# KiCad board rabbit_mask.kicad_pcb (continued)
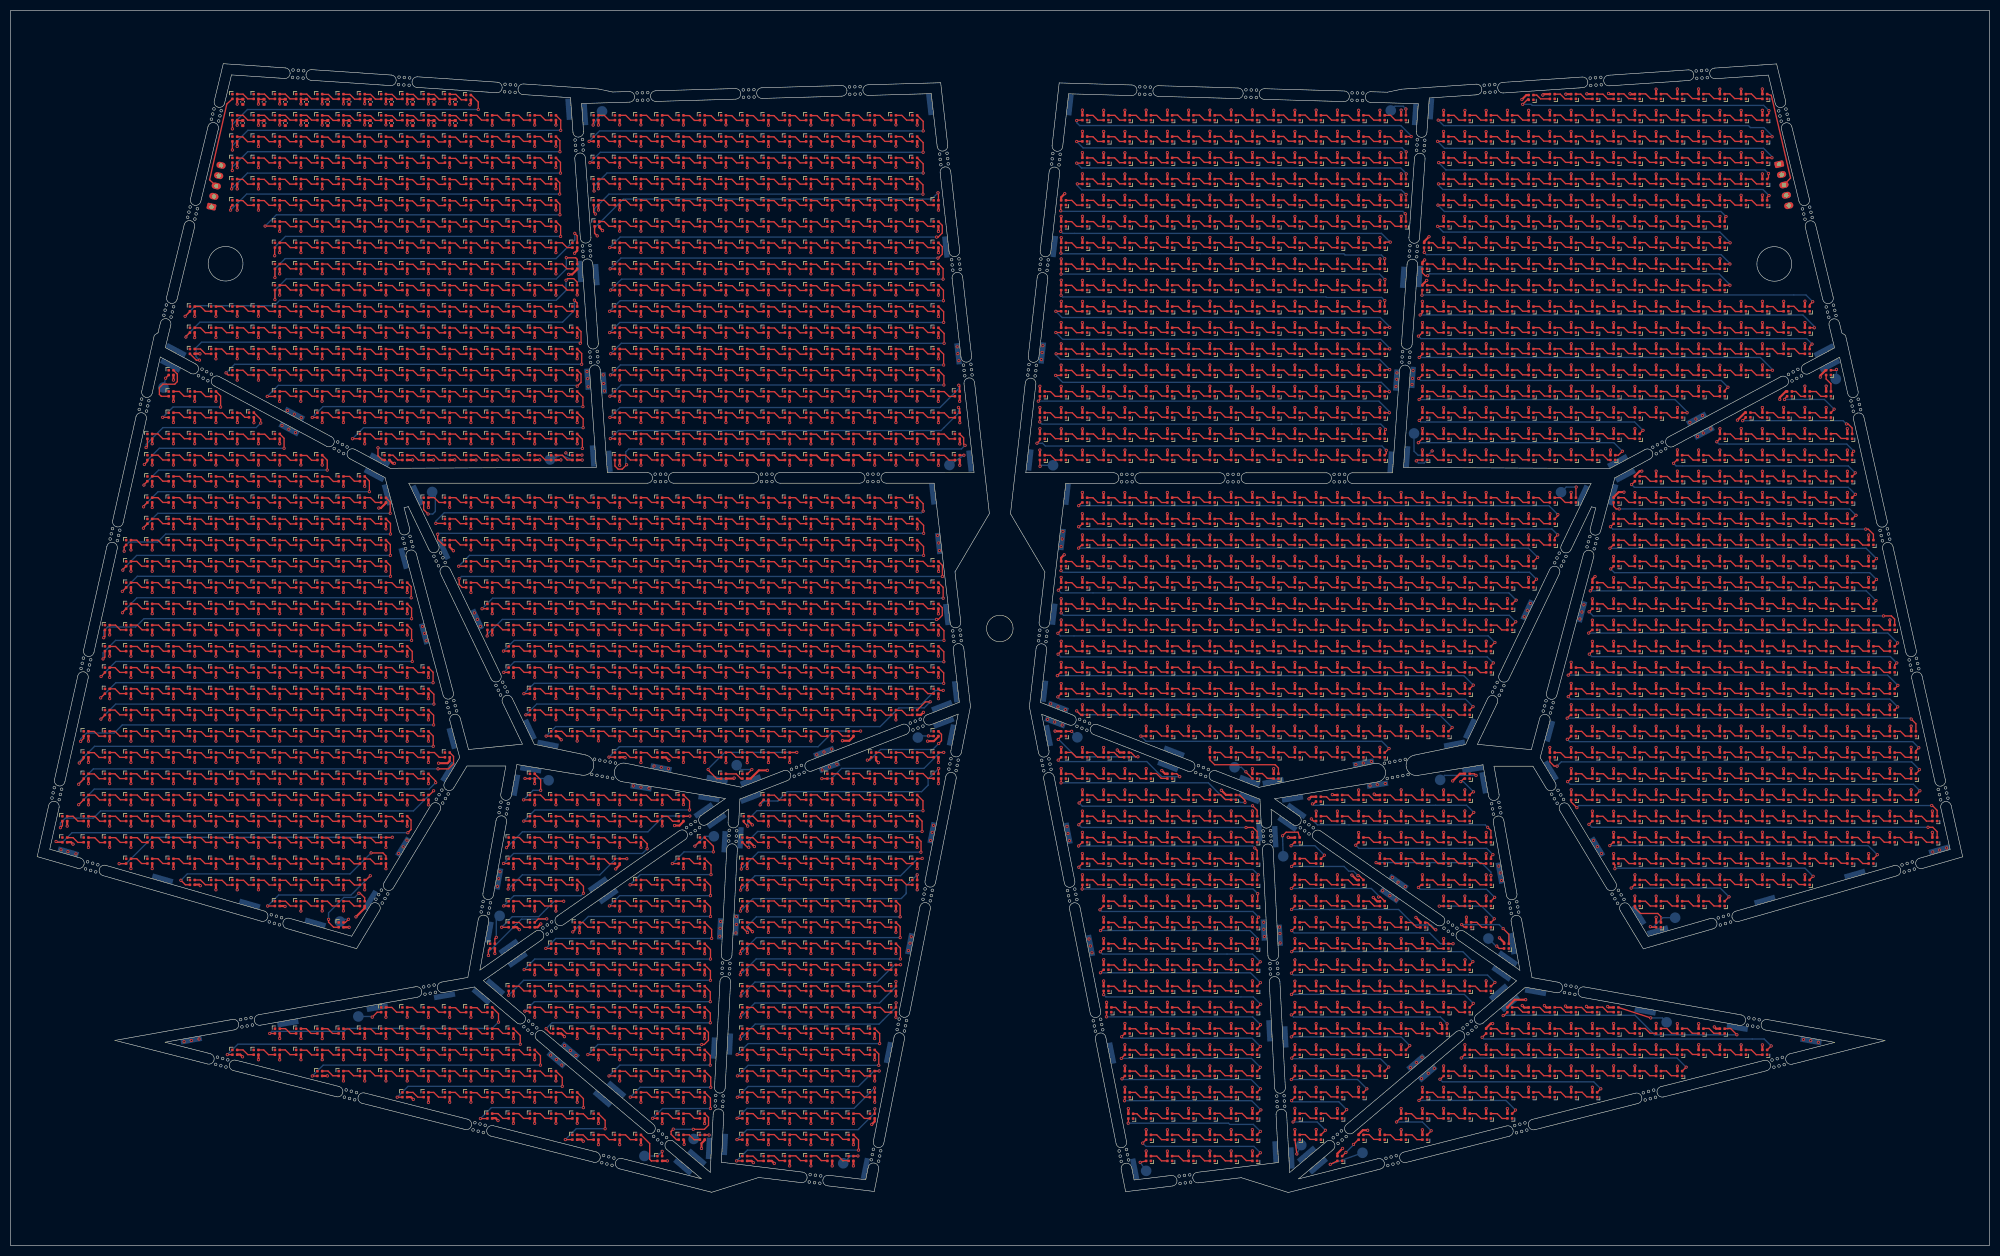
[diagram p0: board, top side]
## Routing (per net, layer and track width the routed paths; a pad name or vN(x,y) marks a point on that pad's centre or on a via; arc(x,y) is an arc through that point) (continued)
Net-(D481-DOUT): length 28.1
  Top w0.25: v1(47.08,154.86) 47.08,155.54 D481.3 ; v1(25.5,150.26) 25.75,150.51 D512.1
  Bottom w0.25: v1(47.08,154.86) 46.23,154.01 28.67,154.01 25.5,150.84 v1(25.5,150.26)
Net-(D482-DOUT): length 3.5
  Top w0.25: D482.3 59.75,156.81 60.65,155.91 D483.1
Net-(D483-DOUT): length 3.5
  Top w0.25: D483.3 63.75,156.81 64.65,155.91 D484.1
Net-(D484-DOUT): length 3.5
  Top w0.25: D485.1 68.65,155.91 67.75,156.81 D484.3
Net-(D485-DOUT): length 3.5
  Top w0.25: D485.3 71.75,156.81 72.65,155.91 D486.1
Net-(D486-DOUT): length 3.5
  Top w0.25: 77.75,155.89 76.65,155.89 75.75,156.79 74.65,156.79
Net-(D487-DOUT): length 3.5
  Top w0.25: 81.75,155.89 80.65,155.89 79.75,156.79 78.65,156.79
Net-(D488-DOUT): length 3.5
  Top w0.25: D489.1 84.65,155.91 83.75,156.81 D488.3
Net-(D489-DOUT): length 3.5
  Top w0.25: D489.3 87.75,156.81 88.65,155.91 D490.1
Net-(D490-DOUT): length 3.5
  Top w0.25: D491.1 92.65,155.91 91.75,156.81 D490.3
Net-(D491-DOUT): length 3.5
  Top w0.25: D492.1 96.65,155.91 95.75,156.81 D491.3
Net-(D492-DOUT): length 3.5
  Top w0.25: D492.3 99.75,156.81 100.65,155.91 D493.1
Net-(D493-DOUT): length 3.5
  Top w0.25: 102.75,156.81 103.85,156.81 104.75,155.91 105.85,155.91
Net-(D494-DOUT): length 49
  Top w0.25: v1(107.77,153.99) 107.77,155.69 D494.3 ; v1(64.35,151.91) D519.1
  Bottom w0.25: v1(64.35,151.91) 66.42,153.99 v1(107.77,153.99)
Net-(D495-DOUT): length 3.5
  Top w0.25: D496.1 116.65,155.91 115.75,156.81 D495.3
Net-(D496-DOUT): length 3.5
  Top w0.25: 118.7,156.81 119.8,156.81 120.7,155.91 121.8,155.91
Net-(D497-DOUT): length 3.5
  Top w0.25: 125.7,155.91 124.6,155.91 123.7,156.81 122.6,156.81
Net-(D498-DOUT): length 3.5
  Top w0.25: D499.1 128.65,155.91 127.75,156.81 D498.3
Net-(D499-DOUT): length 3.5
  Top w0.25: 130.7,156.76 131.8,156.76 132.7,155.86 133.8,155.86
Net-(D500-DOUT): length 3.5
  Top w0.25: 137.85,155.86 136.75,155.86 135.85,156.76 134.75,156.76
Net-(D501-DOUT): length 3.5
  Top w0.25: 141.75,155.86 140.65,155.86 139.75,156.76 138.65,156.76
Net-(D502-DOUT): length 3.5
  Top w0.25: 142.7,156.76 143.8,156.76 144.7,155.86 145.8,155.86
Net-(D503-DOUT): length 3.5
  Top w0.25: 146.6,156.76 147.7,156.76 148.6,155.86 149.7,155.86
Net-(D504-DOUT): length 3.5
  Top w0.25: 153.7,155.86 152.6,155.86 151.7,156.76 150.6,156.76
Net-(D505-DOUT): length 3.5
  Top w0.25: 154.7,156.76 155.8,156.76 156.7,155.86 157.8,155.86
Net-(D506-DOUT): length 3.5
  Top w0.25: D506.3 159.75,156.81 160.65,155.91 D507.1
Net-(D507-DOUT): length 3.5
  Top w0.25: 162.55,156.81 163.65,156.81 164.55,155.91 165.65,155.91
Net-(D508-DOUT): length 3.5
  Top w0.25: 169.65,155.91 168.55,155.91 167.65,156.81 166.55,156.81
Net-(D509-DOUT): length 3.5
  Top w0.25: D509.3 171.75,156.81 172.65,155.91 D510.1
Net-(D510-DOUT): length 3.5
  Top w0.25: 174.65,156.79 175.75,156.79 176.65,155.89 177.75,155.89
Net-(D511-DOUT): length 70.6
  Top w0.25: v1(178.42,157.8) 178.65,157.57 D511.3 ; v1(112.88,151.92) 113.74,151.92 D530.1
  Bottom w0.25: v1(178.42,157.8) 178.42,156.73 175.14,153.45 114.41,153.45 v1(112.88,151.92)
Net-(D512-DOUT): length 3.5
  Top w0.25: D513.1 28.65,151.91 27.75,152.81 D512.3
Net-(D513-DOUT): length 3.5
  Top w0.25: 33.8,151.91 32.7,151.91 31.8,152.81 30.7,152.81
Net-(D514-DOUT): length 3.5
  Top w0.25: 37.85,151.86 36.75,151.86 35.85,152.76 34.75,152.76
Net-(D515-DOUT): length 3.5
  Top w0.25: 38.8,152.76 39.9,152.76 40.8,151.86 41.9,151.86
Net-(D516-DOUT): length 3.5
  Top w0.25: 42.7,152.76 43.8,152.76 44.7,151.86 45.8,151.86
Net-(D517-DOUT): length 3.5
  Top w0.25: 49.85,151.86 48.75,151.86 47.85,152.76 46.75,152.76
Net-(D518-DOUT): length 31.8
  Top w0.25: v1(51.48,150.11) 51.48,151.99 D518.3 ; v1(25.18,147.06) 25.75,147.64 D547.1
  Bottom w0.25: v1(51.48,150.11) 27.97,150.11 25.78,147.91 25.78,147.66 v1(25.18,147.06)
Net-(D519-DOUT): length 3.5
  Top w0.25: 69.75,151.89 68.65,151.89 67.75,152.79 66.65,152.79
Net-(D520-DOUT): length 3.5
  Top w0.25: 70.65,152.79 71.75,152.79 72.65,151.89 73.75,151.89
Net-(D521-DOUT): length 3.5
  Top w0.25: 77.75,151.86 76.65,151.86 75.75,152.76 74.65,152.76
Net-(D522-DOUT): length 3.5
  Top w0.25: 81.75,151.86 80.65,151.86 79.75,152.76 78.65,152.76
Net-(D523-DOUT): length 3.5
  Top w0.25: 82.65,152.79 83.75,152.79 84.65,151.89 85.75,151.89
Net-(D524-DOUT): length 3.5
  Top w0.25: 86.65,152.79 87.75,152.79 88.65,151.89 89.75,151.89
Net-(D525-DOUT): length 3.5
  Top w0.25: 90.65,152.79 91.75,152.79 92.65,151.89 93.75,151.89
Net-(D526-DOUT): length 3.5
  Top w0.25: D527.1 96.65,151.91 95.75,152.81 D526.3
Net-(D527-DOUT): length 3.5
  Top w0.25: D528.1 100.65,151.91 99.75,152.81 D527.3
Net-(D528-DOUT): length 3.5
  Top w0.25: 105.85,151.91 104.75,151.91 103.85,152.81 102.75,152.81
Net-(D529-DOUT): length 44.7
  Top w0.25: D556.1 69.95,147.91 69.15,148.71 v1(69.15,150.21) ; D529.3 107.63,151.84 v1(107.63,150.09)
  Bottom w0.25: v1(107.63,150.09) 69.28,150.09 v1(69.15,150.21)
Net-(D530-DOUT): length 3.5
  Top w0.25: D531.1 116.65,151.91 115.75,152.81 D530.3
Net-(D531-DOUT): length 3.5
  Top w0.25: 118.7,152.81 119.8,152.81 120.7,151.91 121.8,151.91
Net-(D532-DOUT): length 3.5
  Top w0.25: 122.6,152.81 123.7,152.81 124.6,151.91 125.7,151.91
Net-(D533-DOUT): length 3.5
  Top w0.25: D533.3 127.75,152.81 128.65,151.91 D534.1
Net-(D534-DOUT): length 3.5
  Top w0.25: 133.8,151.86 132.7,151.86 131.8,152.76 130.7,152.76
Net-(D535-DOUT): length 3.5
  Top w0.25: 137.85,151.86 136.75,151.86 135.85,152.76 134.75,152.76
Net-(D536-DOUT): length 3.5
  Top w0.25: 138.65,152.76 139.75,152.76 140.65,151.86 141.75,151.86
Net-(D537-DOUT): length 3.5
  Top w0.25: 142.7,152.76 143.8,152.76 144.7,151.86 145.8,151.86
Net-(D538-DOUT): length 3.5
  Top w0.25: 149.7,151.86 148.6,151.86 147.7,152.76 146.6,152.76
Net-(D539-DOUT): length 3.5
  Top w0.25: 150.6,152.76 151.7,152.76 152.6,151.86 153.7,151.86
Net-(D540-DOUT): length 3.5
  Top w0.25: 154.7,152.76 155.8,152.76 156.7,151.86 157.8,151.86
Net-(D541-DOUT): length 3.5
  Top w0.25: D541.3 159.75,152.81 160.65,151.91 D542.1
Net-(D542-DOUT): length 3.5
  Top w0.25: 165.65,151.91 164.55,151.91 163.65,152.81 162.55,152.81
Net-(D543-DOUT): length 3.5
  Top w0.25: 166.55,152.81 167.65,152.81 168.55,151.91 169.65,151.91
Net-(D544-DOUT): length 3.5
  Top w0.25: D545.1 172.65,151.91 171.75,152.81 D544.3
Net-(D545-DOUT): length 3.5
  Top w0.25: 177.75,151.89 176.65,151.89 175.75,152.79 174.65,152.79
Net-(D546-DOUT): length 73.3
  Top w0.25: v1(179.65,150.66) 179.4,150.91 179.4,152.06 D546.3 ; D566.1 113.75,146.79 114.35,146.19 115.13,146.19 v1(115.95,147.01)
  Bottom w0.25: v1(115.95,147.01) 115.8,147.16 115.8,149.44 116.35,149.99 178.98,149.99 v1(179.65,150.66)
Net-(D547-DOUT): length 3.5
  Top w0.25: D547.3 27.75,148.81 28.65,147.91 D548.1
Net-(D548-DOUT): length 3.5
  Top w0.25: 30.7,148.81 31.8,148.81 32.7,147.91 33.8,147.91
Net-(D549-DOUT): length 3.5
  Top w0.25: 34.75,148.76 35.85,148.76 36.75,147.86 37.85,147.86
Net-(D550-DOUT): length 3.5
  Top w0.25: 38.8,148.76 39.9,148.76 40.8,147.86 41.9,147.86
Net-(D551-DOUT): length 3.5
  Top w0.25: 42.7,148.76 43.8,148.76 44.7,147.86 45.8,147.86
Net-(D552-DOUT): length 3.5
  Top w0.25: 49.85,147.86 48.75,147.86 47.85,148.76 46.75,148.76
Net-(D553-DOUT): length 3.5
  Top w0.25: 50.65,148.76 51.75,148.76 52.65,147.86 53.75,147.86
Net-(D554-DOUT): length 3.5
  Top w0.25: 57.75,147.86 56.65,147.86 55.75,148.76 54.65,148.76
Net-(D555-DOUT): length 39.9
  Top w0.25: v1(25.1,143.19) 25.1,143.26 D583.1 ; v1(59.6,146.01) 59.6,147.86 D555.3
  Bottom w0.25: v1(59.6,146.01) 27.85,146.01 25.1,143.26 v1(25.1,143.19)
Net-(D556-DOUT): length 2.8
  Top w0.25: D556.3 71.98,148.81 72.88,147.91 D557.1
Net-(D557-DOUT): length 3.5
  Top w0.25: 74.65,148.79 75.85,148.79 76.75,147.89 77.75,147.89
Net-(D558-DOUT): length 3.5
  Top w0.25: 78.65,148.79 79.75,148.79 80.65,147.89 81.75,147.89
Net-(D559-DOUT): length 3.5
  Top w0.25: D559.3 83.75,148.81 84.65,147.91 D560.1
Net-(D560-DOUT): length 3.5
  Top w0.25: D561.1 88.65,147.91 87.75,148.81 D560.3
Net-(D561-DOUT): length 3.5
  Top w0.25: D561.3 91.75,148.81 92.65,147.91 D562.1
Net-(D562-DOUT): length 3.5
  Top w0.25: D562.3 95.75,148.81 96.65,147.91 D563.1
Net-(D563-DOUT): length 3.5
  Top w0.25: D563.3 99.75,148.81 100.65,147.91 D564.1
Net-(D564-DOUT): length 3.5
  Top w0.25: 105.85,147.91 104.75,147.91 103.85,148.81 102.75,148.81
Net-(D566-DOUT): length 3.5
  Top w0.25: D566.3 115.75,148.81 116.65,147.91 D567.1
Net-(D567-DOUT): length 3.5
  Top w0.25: 118.7,148.81 119.8,148.81 120.7,147.91 121.8,147.91
Net-(D568-DOUT): length 3.5
  Top w0.25: 122.6,148.81 123.7,148.81 124.6,147.91 125.7,147.91
Net-(D569-DOUT): length 3.5
  Top w0.25: D569.3 127.75,148.81 128.65,147.91 D570.1
Net-(D570-DOUT): length 3.5
  Top w0.25: 133.8,147.86 132.7,147.86 131.8,148.76 130.7,148.76
Net-(D571-DOUT): length 3.5
  Top w0.25: 137.85,147.86 136.75,147.86 135.85,148.76 134.75,148.76
Net-(D572-DOUT): length 6.9
  Top w0.25: 138.65,148.76 139.75,148.76 140.65,147.86 141.75,147.86 ; D572.3 139.75,148.81 140.65,147.91 D573.1
Net-(D573-DOUT): length 6.9
  Top w0.25: 142.65,148.79 143.75,148.79 144.65,147.89 145.75,147.89 ; 142.7,148.76 143.8,148.76 144.7,147.86 145.8,147.86
Net-(D574-DOUT): length 6.9
  Top w0.25: 146.6,148.76 147.7,148.76 148.6,147.86 149.7,147.86 ; 149.75,147.89 148.65,147.89 147.75,148.79 146.65,148.79
Net-(D575-DOUT): length 6.9
  Top w0.25: 153.7,147.86 152.6,147.86 151.7,148.76 150.6,148.76 ; D576.1 152.65,147.91 151.75,148.81 D575.3
Net-(D576-DOUT): length 6.9
  Top w0.25: 157.8,147.86 156.7,147.86 155.8,148.76 154.7,148.76 ; D576.3 155.75,148.81 156.65,147.91 D577.1
Net-(D577-DOUT): length 6.9
  Top w0.25: 159.75,148.81 160.65,147.91 ; 159.75,148.81 D577.3 159.75,148.81 ; 159.75,148.81 160.65,147.91 ; 160.65,147.91 D578.1 160.65,147.91
Net-(D578-DOUT): length 3.5
  Top w0.25: 162.55,148.81 163.65,148.81 164.55,147.91 165.65,147.91
Net-(D579-DOUT): length 3.5
  Top w0.25: 166.55,148.81 167.65,148.81 168.55,147.91 169.65,147.91
Net-(D580-DOUT): length 3.5
  Top w0.25: D581.1 172.65,147.91 171.75,148.81 D580.3
Net-(D581-DOUT): length 3.5
  Top w0.25: 177.75,147.89 176.65,147.89 175.75,148.79 174.65,148.79
Net-(D583-DOUT): length 3.5
  Top w0.25: D584.1 28.65,143.91 27.75,144.81 D583.3
Net-(D584-DOUT): length 3.5
  Top w0.25: 30.7,144.81 31.8,144.81 32.7,143.91 33.8,143.91
Net-(D585-DOUT): length 3.5
  Top w0.25: 34.75,144.76 35.85,144.76 36.75,143.86 37.85,143.86
Net-(D586-DOUT): length 3.5
  Top w0.25: 38.8,144.76 39.9,144.76 40.8,143.86 41.9,143.86
Net-(D587-DOUT): length 3.5
  Top w0.25: 45.8,143.86 44.7,143.86 43.8,144.76 42.7,144.76
Net-(D588-DOUT): length 3.5
  Top w0.25: 46.75,144.76 47.85,144.76 48.75,143.86 49.85,143.86
Net-(D589-DOUT): length 3.5
  Top w0.25: 50.65,144.76 51.75,144.76 52.65,143.86 53.75,143.86
Net-(D590-DOUT): length 3.5
  Top w0.25: 54.65,144.76 55.75,144.76 56.65,143.86 57.75,143.86
Net-(D591-DOUT): length 3.5
  Top w0.25: 58.75,144.76 59.85,144.76 60.75,143.86 61.85,143.86
Net-(D592-DOUT): length 3.5
  Top w0.25: 65.8,143.91 64.7,143.91 63.8,144.81 62.7,144.81
Net-(D593-DOUT): length 48.1
  Top w0.25: D594.1 25.03,139.19 v1(25.03,139.09) ; D593.3 67.53,143.94 v1(67.53,141.94)
  Bottom w0.25: v1(67.53,141.94) 27.75,141.94 25.03,139.21 v1(25.03,139.09)
Net-(D594-DOUT): length 3.5
  Top w0.25: D594.3 27.75,140.81 28.65,139.91 D595.1
Net-(D595-DOUT): length 3.5
  Top w0.25: 33.8,139.91 32.7,139.91 31.8,140.81 30.7,140.81
Net-(D596-DOUT): length 3.5
  Top w0.25: 34.75,140.76 35.85,140.76 36.75,139.86 37.85,139.86
Net-(D597-DOUT): length 3.5
  Top w0.25: 38.8,140.76 39.9,140.76 40.8,139.86 41.9,139.86
Net-(D598-DOUT): length 3.5
  Top w0.25: 42.7,140.76 43.8,140.76 44.7,139.86 45.8,139.86
Net-(D599-DOUT): length 3.5
  Top w0.25: 49.85,139.86 48.75,139.86 47.85,140.76 46.75,140.76
Net-(D600-DOUT): length 3.5
  Top w0.25: 53.75,139.86 52.65,139.86 51.75,140.76 50.65,140.76
Net-(D601-DOUT): length 3.5
  Top w0.25: 54.65,140.76 55.75,140.76 56.65,139.86 57.75,139.86
Net-(D602-DOUT): length 3.5
  Top w0.25: 61.85,139.86 60.75,139.86 59.85,140.76 58.75,140.76
Net-(D603-DOUT): length 3.5
  Top w0.25: 65.8,139.91 64.7,139.91 63.8,140.81 62.7,140.81
Net-(D604-DOUT): length 3.5
  Top w0.25: D605.1 68.65,139.91 67.75,140.81 D604.3
Net-(D605-DOUT): length 52.1
  Top w0.25: v1(71.45,137.86) 71.45,140.01 D605.3 ; D630.1 25,135.16 v1(25,135.06)
  Bottom w0.25: v1(71.45,137.86) 27.7,137.86 25,135.16 v1(25,135.06)
Net-(D606-DOUT): length 3.5
  Top w0.25: D606.3 79.75,140.81 80.65,139.91 D607.1
Net-(D607-DOUT): length 3.5
  Top w0.25: 82.7,140.81 83.8,140.81 84.7,139.91 85.8,139.91
Net-(D608-DOUT): length 3.5
  Top w0.25: D608.3 87.75,140.81 88.65,139.91 D609.1
Net-(D609-DOUT): length 3.5
  Top w0.25: D609.3 91.75,140.81 92.65,139.91 D610.1
Net-(D610-DOUT): length 3.5
  Top w0.25: 94.7,140.81 95.8,140.81 96.7,139.91 97.8,139.91
Net-(D611-DOUT): length 3.5
  Top w0.25: 98.6,140.81 99.7,140.81 100.6,139.91 101.7,139.91
Net-(D612-DOUT): length 3.5
  Top w0.25: D612.3 103.75,140.81 104.65,139.91 D613.1
Net-(D613-DOUT): length 3.5
  Top w0.25: 106.7,140.76 107.8,140.76 108.7,139.86 109.8,139.86
Net-(D614-DOUT): length 3.5
  Top w0.25: 110.75,140.76 111.85,140.76 112.75,139.86 113.85,139.86
Net-(D615-DOUT): length 3.5
  Top w0.25: 114.65,140.76 115.75,140.76 116.65,139.86 117.75,139.86
Net-(D616-DOUT): length 3.5
  Top w0.25: D617.1 120.65,139.91 119.75,140.81 D616.3
Net-(D617-DOUT): length 3.5
  Top w0.25: 125.8,139.91 124.7,139.91 123.8,140.81 122.7,140.81
Net-(D618-DOUT): length 3.5
  Top w0.25: 126.6,140.81 127.7,140.81 128.6,139.91 129.7,139.91
Net-(D619-DOUT): length 3.5
  Top w0.25: D620.1 132.65,139.91 131.75,140.81 D619.3
Net-(D620-DOUT): length 3.5
  Top w0.25: 134.7,140.76 135.8,140.76 136.7,139.86 137.8,139.86
Net-(D621-DOUT): length 3.5
  Top w0.25: 138.75,140.76 139.85,140.76 140.75,139.86 141.85,139.86
Net-(D622-DOUT): length 3.5
  Top w0.25: 142.65,140.76 143.75,140.76 144.65,139.86 145.75,139.86
Net-(D623-DOUT): length 3.5
  Top w0.25: D624.1 148.65,139.91 147.75,140.81 D623.3
Net-(D624-DOUT): length 3.5
  Top w0.25: D625.1 152.65,139.91 151.75,140.81 D624.3
Net-(D625-DOUT): length 3.5
  Top w0.25: 157.8,139.86 156.7,139.86 155.8,140.76 154.7,140.76
Net-(D626-DOUT): length 3.5
  Top w0.25: 158.75,140.76 159.85,140.76 160.75,139.86 161.85,139.86
Net-(D627-DOUT): length 3.5
  Top w0.25: 165.75,139.86 164.65,139.86 163.75,140.76 162.65,140.76
Net-(D628-DOUT): length 3.5
  Top w0.25: D629.1 168.65,139.91 167.75,140.81 D628.3
Net-(D629-DOUT): length 97.7
  Top w0.25: v1(171.77,138.27) 171.77,139.69 D629.3 ; v1(80.04,135.97) 81.69,135.97 D642.1
  Bottom w0.25: v1(171.77,138.27) 171.46,137.96 81.61,137.96 80.04,136.39 v1(80.04,135.97)
Net-(D630-DOUT): length 3.5
  Top w0.25: D631.1 28.65,135.91 27.75,136.81 D630.3
Net-(D631-DOUT): length 3.5
  Top w0.25: 30.7,136.81 31.8,136.81 32.7,135.91 33.8,135.91
Net-(D632-DOUT): length 3.5
  Top w0.25: 37.85,135.86 36.75,135.86 35.85,136.76 34.75,136.76
Net-(D633-DOUT): length 3.5
  Top w0.25: 38.8,136.76 39.9,136.76 40.8,135.86 41.9,135.86
Net-(D634-DOUT): length 3.5
  Top w0.25: 42.7,136.76 43.8,136.76 44.7,135.86 45.8,135.86
Net-(D635-DOUT): length 3.5
  Top w0.25: 49.85,135.86 48.75,135.86 47.85,136.76 46.75,136.76
Net-(D636-DOUT): length 3.5
  Top w0.25: 53.75,135.86 52.65,135.86 51.75,136.76 50.65,136.76
Net-(D637-DOUT): length 3.5
  Top w0.25: 54.65,136.76 55.75,136.76 56.65,135.86 57.75,135.86
Net-(D638-DOUT): length 3.5
  Top w0.25: 61.85,135.86 60.75,135.86 59.85,136.76 58.75,136.76
Net-(D639-DOUT): length 3.5
  Top w0.25: 62.7,136.81 63.8,136.81 64.7,135.91 65.8,135.91
Net-(D640-DOUT): length 3.5
  Top w0.25: D641.1 68.65,135.91 67.75,136.81 D640.3
Net-(D641-DOUT): length 56.5
  Top w0.25: D641.3 71.5,135.96 v1(71.5,133.96) ; D665.1 21.37,131.54 v1(21.37,130.74)
  Bottom w0.25: v1(21.37,130.74) 21.37,131.54 22.3,132.46 27.68,132.46 29.18,133.96 v1(71.5,133.96)
Net-(D642-DOUT): length 3.5
  Top w0.25: D642.3 83.75,136.81 84.65,135.91 D643.1
Net-(D643-DOUT): length 3.5
  Top w0.25: D644.1 88.65,135.91 87.75,136.81 D643.3
Net-(D644-DOUT): length 3.5
  Top w0.25: D644.3 91.75,136.81 92.65,135.91 D645.1
Net-(D645-DOUT): length 3.5
  Top w0.25: 97.8,135.91 96.7,135.91 95.8,136.81 94.7,136.81
Net-(D646-DOUT): length 3.5
  Top w0.25: 101.7,135.91 100.6,135.91 99.7,136.81 98.6,136.81
Net-(D647-DOUT): length 3.5
  Top w0.25: D648.1 104.65,135.91 103.75,136.81 D647.3
Net-(D648-DOUT): length 3.5
  Top w0.25: 109.8,135.86 108.7,135.86 107.8,136.76 106.7,136.76
Net-(D649-DOUT): length 3.5
  Top w0.25: 113.85,135.86 112.75,135.86 111.85,136.76 110.75,136.76
Net-(D650-DOUT): length 3.5
  Top w0.25: 117.75,135.86 116.65,135.86 115.75,136.76 114.65,136.76
Net-(D651-DOUT): length 3.5
  Top w0.25: D651.3 119.75,136.81 120.65,135.91 D652.1
Net-(D652-DOUT): length 3.5
  Top w0.25: 122.7,136.81 123.8,136.81 124.7,135.91 125.8,135.91
Net-(D653-DOUT): length 3.5
  Top w0.25: 129.7,135.91 128.6,135.91 127.7,136.81 126.6,136.81
Net-(D654-DOUT): length 3.5
  Top w0.25: D655.1 132.65,135.91 131.75,136.81 D654.3
Net-(D655-DOUT): length 3.5
  Top w0.25: 137.8,135.86 136.7,135.86 135.8,136.76 134.7,136.76
Net-(D656-DOUT): length 3.5
  Top w0.25: 138.75,136.76 139.85,136.76 140.75,135.86 141.85,135.86
Net-(D657-DOUT): length 3.5
  Top w0.25: 145.75,135.86 144.65,135.86 143.75,136.76 142.65,136.76
Net-(D658-DOUT): length 3.5
  Top w0.25: D659.1 148.65,135.91 147.75,136.81 D658.3
Net-(D659-DOUT): length 3.5
  Top w0.25: D659.3 151.75,136.81 152.65,135.91 D660.1
Net-(D660-DOUT): length 3.5
  Top w0.25: 154.7,136.76 155.8,136.76 156.7,135.86 157.8,135.86
Net-(D661-DOUT): length 3.5
  Top w0.25: 161.85,135.86 160.75,135.86 159.85,136.76 158.75,136.76
Net-(D662-DOUT): length 3.5
  Top w0.25: 165.75,135.86 164.65,135.86 163.75,136.76 162.65,136.76
Net-(D663-DOUT): length 3.5
  Top w0.25: D664.1 168.65,135.91 167.75,136.81 D663.3
Net-(D664-DOUT): length 97.5
  Top w0.25: v1(80.38,133.92) 80.38,132.96 81.42,131.91 D678.1 ; v1(171.86,134.1) 171.86,135.6 D664.3
  Bottom w0.25: v1(171.86,134.1) 80.56,134.1 v1(80.38,133.92)
Net-(D665-DOUT): length 3.5
  Top w0.25: D666.1 24.65,131.91 23.75,132.81 D665.3
Net-(D666-DOUT): length 3.5
  Top w0.25: D666.3 27.75,132.81 28.65,131.91 D667.1
Net-(D667-DOUT): length 3.5
  Top w0.25: 33.8,131.91 32.7,131.91 31.8,132.81 30.7,132.81
Net-(D668-DOUT): length 3.5
  Top w0.25: 37.85,131.86 36.75,131.86 35.85,132.76 34.75,132.76
Net-(D669-DOUT): length 3.5
  Top w0.25: 38.8,132.76 39.9,132.76 40.8,131.86 41.9,131.86
Net-(D670-DOUT): length 3.5
  Top w0.25: 45.8,131.86 44.7,131.86 43.8,132.76 42.7,132.76
Net-(D671-DOUT): length 3.5
  Top w0.25: 46.75,132.76 47.85,132.76 48.75,131.86 49.85,131.86
Net-(D672-DOUT): length 3.5
  Top w0.25: 53.75,131.86 52.65,131.86 51.75,132.76 50.65,132.76
Net-(D673-DOUT): length 3.5
  Top w0.25: 57.75,131.86 56.65,131.86 55.75,132.76 54.65,132.76
Net-(D674-DOUT): length 3.5
  Top w0.25: 58.75,132.76 59.85,132.76 60.75,131.86 61.85,131.86
Net-(D675-DOUT): length 3.5
  Top w0.25: 62.7,132.81 63.8,132.81 64.7,131.91 65.8,131.91
Net-(D676-DOUT): length 3.5
  Top w0.25: D676.3 67.75,132.81 68.65,131.91 D677.1
Net-(D677-DOUT): length 55.8
  Top w0.25: v1(21.12,127.16) 21.12,127.29 D701.1 ; v1(71.48,129.94) 71.48,131.99 D677.3
  Bottom w0.25: v1(71.48,129.94) 23.72,129.94 21.12,127.34 v1(21.12,127.16)
Net-(D678-DOUT): length 3.5
  Top w0.25: D679.1 84.65,131.91 83.75,132.81 D678.3
Net-(D679-DOUT): length 3.5
  Top w0.25: D680.1 88.65,131.91 87.75,132.81 D679.3
Net-(D680-DOUT): length 3.5
  Top w0.25: D680.3 91.75,132.81 92.65,131.91 D681.1
Net-(D681-DOUT): length 3.5
  Top w0.25: 97.8,131.91 96.7,131.91 95.8,132.81 94.7,132.81
Net-(D682-DOUT): length 3.5
  Top w0.25: 98.6,132.81 99.7,132.81 100.6,131.91 101.7,131.91
Net-(D683-DOUT): length 3.5
  Top w0.25: D683.3 103.75,132.81 104.65,131.91 D684.1
Net-(D684-DOUT): length 3.5
  Top w0.25: 109.8,131.86 108.7,131.86 107.8,132.76 106.7,132.76
Net-(D685-DOUT): length 3.5
  Top w0.25: 110.75,132.76 111.85,132.76 112.75,131.86 113.85,131.86
Net-(D686-DOUT): length 3.5
  Top w0.25: 114.65,132.76 115.75,132.76 116.65,131.86 117.75,131.86
Net-(D687-DOUT): length 3.5
  Top w0.25: D687.3 119.75,132.81 120.65,131.91 D688.1
Net-(D688-DOUT): length 3.5
  Top w0.25: 122.7,132.81 123.8,132.81 124.7,131.91 125.8,131.91
Net-(D689-DOUT): length 3.5
  Top w0.25: 126.6,132.81 127.7,132.81 128.6,131.91 129.7,131.91
Net-(D690-DOUT): length 3.5
  Top w0.25: D690.3 131.75,132.81 132.65,131.91 D691.1
Net-(D691-DOUT): length 3.5
  Top w0.25: 134.7,132.76 135.8,132.76 136.7,131.86 137.8,131.86
Net-(D692-DOUT): length 3.5
  Top w0.25: 141.85,131.86 140.75,131.86 139.85,132.76 138.75,132.76
Net-(D693-DOUT): length 3.5
  Top w0.25: 145.75,131.86 144.65,131.86 143.75,132.76 142.65,132.76
Net-(D694-DOUT): length 3.5
  Top w0.25: D695.1 148.65,131.91 147.75,132.81 D694.3
Net-(D695-DOUT): length 3.5
  Top w0.25: D696.1 152.65,131.91 151.75,132.81 D695.3
Net-(D696-DOUT): length 3.5
  Top w0.25: 154.7,132.76 155.8,132.76 156.7,131.86 157.8,131.86
Net-(D697-DOUT): length 3.5
  Top w0.25: 161.85,131.86 160.75,131.86 159.85,132.76 158.75,132.76
Net-(D698-DOUT): length 3.5
  Top w0.25: 162.65,132.76 163.75,132.76 164.65,131.86 165.75,131.86
Net-(D699-DOUT): length 3.5
  Top w0.25: D699.3 167.75,132.81 168.65,131.91 D700.1
Net-(D700-DOUT): length 93.2
  Top w0.25: v1(171.85,129.94) 171.85,131.61 D700.3 ; D714.1 85.74,127.9 v1(84.33,127.9)
  Bottom w0.25: v1(84.33,127.9) 86.37,129.94 v1(171.85,129.94)
Net-(D701-DOUT): length 3.5
  Top w0.25: D701.3 23.75,128.81 24.65,127.91 D702.1
Net-(D702-DOUT): length 3.5
  Top w0.25: D702.3 27.75,128.81 28.65,127.91 D703.1
Net-(D703-DOUT): length 3.5
  Top w0.25: 30.7,128.81 31.8,128.81 32.7,127.91 33.8,127.91
Net-(D704-DOUT): length 3.5
  Top w0.25: 34.75,128.76 35.85,128.76 36.75,127.86 37.85,127.86
Net-(D705-DOUT): length 3.5
  Top w0.25: 41.9,127.86 40.8,127.86 39.9,128.76 38.8,128.76
Net-(D706-DOUT): length 3.5
  Top w0.25: 45.8,127.86 44.7,127.86 43.8,128.76 42.7,128.76
Net-(D707-DOUT): length 3.5
  Top w0.25: 49.85,127.86 48.75,127.86 47.85,128.76 46.75,128.76
Net-(D708-DOUT): length 3.5
  Top w0.25: 53.75,127.86 52.65,127.86 51.75,128.76 50.65,128.76
Net-(D709-DOUT): length 3.5
  Top w0.25: 57.75,127.86 56.65,127.86 55.75,128.76 54.65,128.76
Net-(D710-DOUT): length 3.5
  Top w0.25: 58.75,128.76 59.85,128.76 60.75,127.86 61.85,127.86
Net-(D711-DOUT): length 3.5
  Top w0.25: 65.8,127.91 64.7,127.91 63.8,128.81 62.7,128.81
Net-(D712-DOUT): length 3.5
  Top w0.25: D713.1 68.65,127.91 67.75,128.81 D712.3
Net-(D713-DOUT): length 55.9
  Top w0.25: v1(21.03,123.16) 21.75,123.89 D737.1 ; D713.3 71.5,127.96 v1(71.5,126.01)
  Bottom w0.25: v1(71.5,126.01) 23.85,126.01 21.03,123.19 v1(21.03,123.16)
Net-(D714-DOUT): length 3.5
  Top w0.25: D715.1 88.65,127.91 87.75,128.81 D714.3
Net-(D715-DOUT): length 3.5
  Top w0.25: D716.1 92.65,127.91 91.75,128.81 D715.3
Net-(D716-DOUT): length 3.5
  Top w0.25: 94.7,128.81 95.8,128.81 96.7,127.91 97.8,127.91
Net-(D717-DOUT): length 3.5
  Top w0.25: 98.6,128.81 99.7,128.81 100.6,127.91 101.7,127.91
Net-(D718-DOUT): length 3.5
  Top w0.25: D718.3 103.75,128.81 104.65,127.91 D719.1
Net-(D719-DOUT): length 3.5
  Top w0.25: 106.7,128.76 107.8,128.76 108.7,127.86 109.8,127.86
Net-(D720-DOUT): length 3.5
  Top w0.25: 110.75,128.76 111.85,128.76 112.75,127.86 113.85,127.86
Net-(D721-DOUT): length 3.5
  Top w0.25: 114.65,128.76 115.75,128.76 116.65,127.86 117.75,127.86
Net-(D722-DOUT): length 3.5
  Top w0.25: D723.1 120.65,127.91 119.75,128.81 D722.3
Net-(D723-DOUT): length 3.5
  Top w0.25: 125.8,127.91 124.7,127.91 123.8,128.81 122.7,128.81
Net-(D724-DOUT): length 3.5
  Top w0.25: 126.6,128.81 127.7,128.81 128.6,127.91 129.7,127.91
Net-(D725-DOUT): length 3.5
  Top w0.25: D726.1 132.65,127.91 131.75,128.81 D725.3
Net-(D726-DOUT): length 3.5
  Top w0.25: 134.7,128.76 135.8,128.76 136.7,127.86 137.8,127.86
Net-(D727-DOUT): length 3.5
  Top w0.25: 141.85,127.86 140.75,127.86 139.85,128.76 138.75,128.76
Net-(D728-DOUT): length 3.5
  Top w0.25: 145.75,127.86 144.65,127.86 143.75,128.76 142.65,128.76
Net-(D729-DOUT): length 3.5
  Top w0.25: D729.3 147.75,128.81 148.65,127.91 D730.1
Net-(D730-DOUT): length 3.5
  Top w0.25: D731.1 152.65,127.91 151.75,128.81 D730.3
Net-(D731-DOUT): length 3.5
  Top w0.25: 154.7,128.76 155.8,128.76 156.7,127.86 157.8,127.86
Net-(D732-DOUT): length 3.5
  Top w0.25: 158.75,128.76 159.85,128.76 160.75,127.86 161.85,127.86
Net-(D733-DOUT): length 3.5
  Top w0.25: 165.75,127.86 164.65,127.86 163.75,128.76 162.65,128.76
Net-(D734-DOUT): length 3.5
  Top w0.25: D734.3 167.75,128.81 168.65,127.91 D735.1
Net-(D735-DOUT): length 3.5
  Top w0.25: D736.1 172.65,127.91 171.75,128.81 D735.3
Net-(D736-DOUT): length 96.9
  Top w0.25: v1(175.4,125.97) 175.4,128.06 D736.3 ; D751.1 85,123.91 84.42,124.49 v1(84.42,125.54)
  Bottom w0.25: v1(84.42,125.54) 84.86,125.97 v1(175.4,125.97)